# Altium PCB Ixora.PcbDoc (part 9 of 13) (continued)
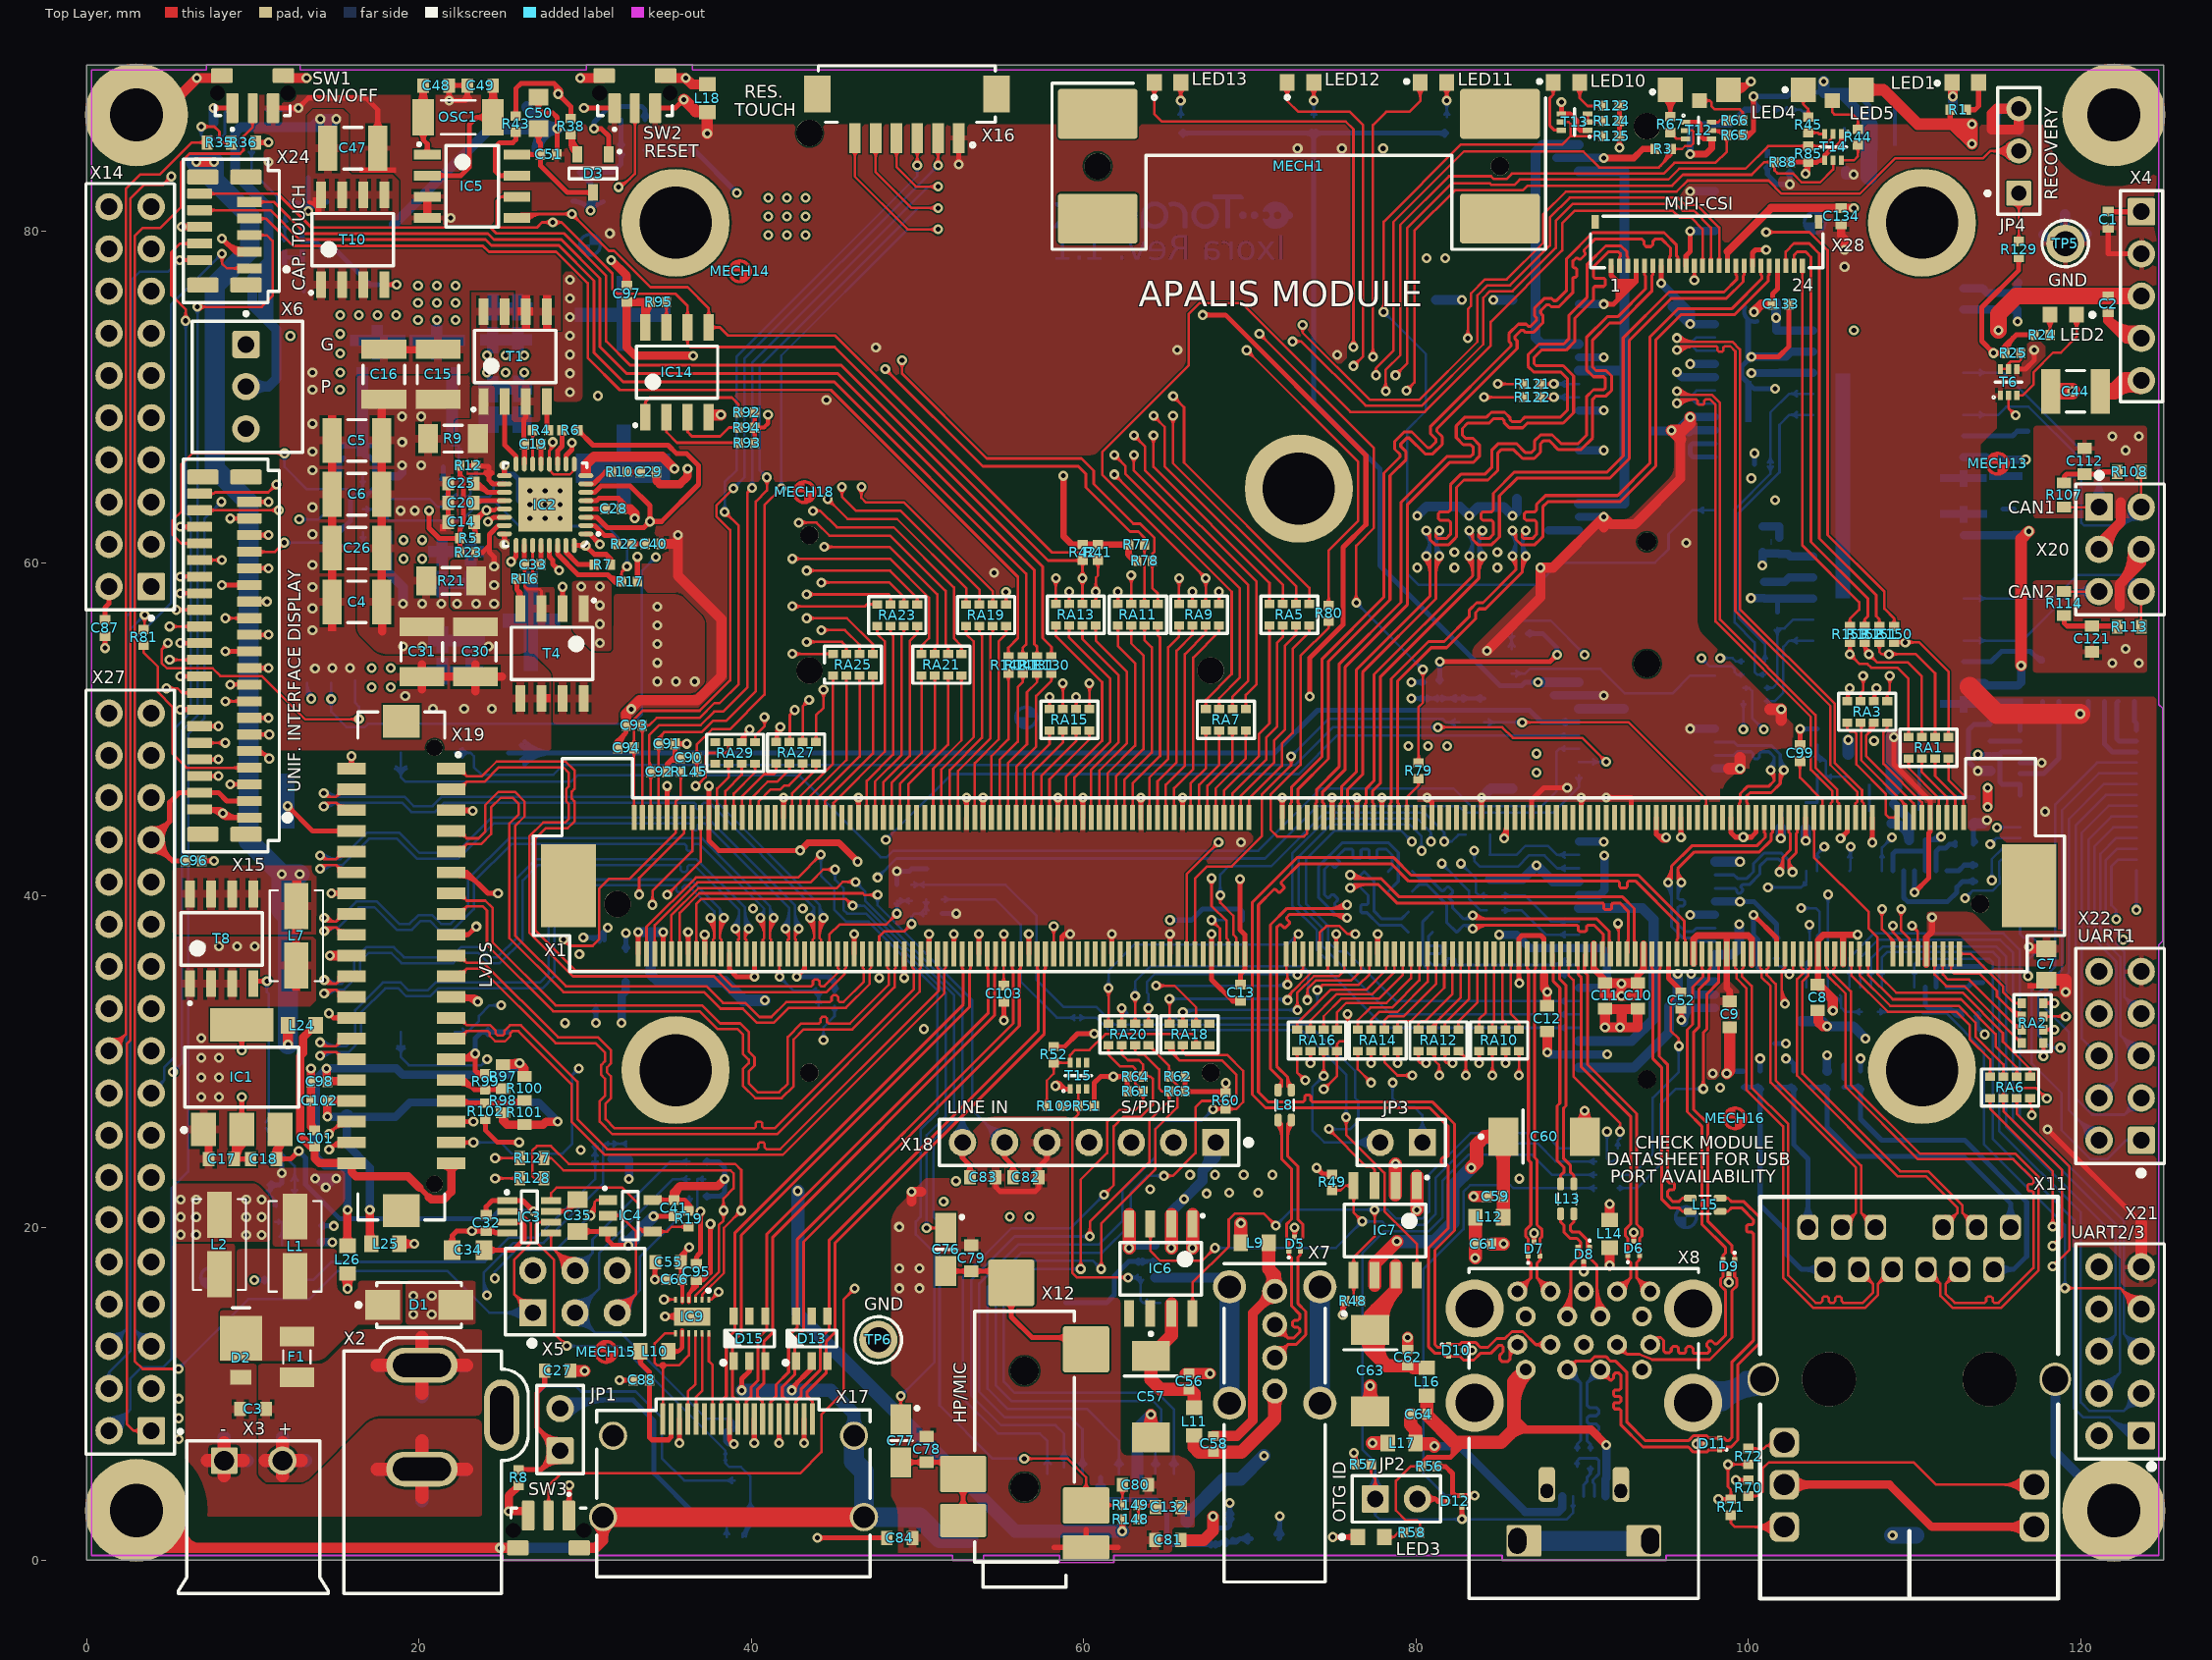
[diagram p0: Top Layer view]
## Nets (pads, with @x,y where several pads share a name; then routed paths per layer and width w, separated by ;. In a path a pad name is that pad's centre, name@x,y a point inside that pad or via, vN(x,y) a via of type N, cw(c..) or ccw(c..) an arc to the next point about the centre after c; other vN are vias at no path point) (continued)
  Bottom Layer w0.18: X25.25@98,40.45 99.19,40.45 99.302,40.338 99.302,40.225 99.377,40.15 99.521,40.15 99.65,40.279 99.65,40.4 99.55,40.5 99.55,40.565 99.65,40.665 100.058,40.665 100.685,41.292 100.685,41.78 101.105,42.2 101.827,42.2 102.08,41.947 ; v1@101.825,41.63 ccw(c101.756,41.947) 102.08,41.947 ; v1@101.864,41.454 ccw(c101.805,41.723) 102.08,41.723 ; v1(101.87,41.425) 101.955,41.425 102.08,41.55 102.08,41.947
PCIE1_SMCLK: R135.2 X25.30 | length 6.9
  Bottom Layer w0.15: R135.2@85.206,40.012 86.556,40.012 88.118,38.45 X25.30@89.8,38.45 ; R135.2@85.355,39.863 cw(c85.713,39.505) 85.713,40.012 cw(c85.713,40.519) R135.2@85.355,40.16 ; X25.30@88.941,38.291 ccw(c88.557,37.907) 88.557,38.45 ccw(c88.557,38.993) X25.30@88.941,38.609
PCIE1_SMDAT: R136.2 X25.32 | length 6.8
  Bottom Layer w0.15: R136.2@85.206,39.112 86.362,39.112 87.824,37.65 X25.32@89.8,37.65 ; R136.2@85.355,38.964 cw(c85.713,38.605) 85.713,39.112 cw(c85.713,39.619) R136.2@85.355,39.261 ; X25.32@88.941,37.491 ccw(c88.557,37.107) 88.557,37.65 ccw(c88.557,38.193) X25.32@88.941,37.809
PCIE1_TX_N: X1.47 X25.31 | length 17
  Top Layer w0.18: 95.75,41.268 ccw(c96.316,41.268) v1@95.978,40.814 ; v1(95.96,40.79) 95.75,41 95.75,41.627 ; v1@96.085,40.958 cw(c96.583,41.627) 95.75,41.627 ; X1.47@101.45,44.7 101.45,43.811 101.385,43.746 101.385,43.355 100.66,42.63 96.753,42.63 95.75,41.627
  Bottom Layer w0.18: 95.75,39.924 cw(c96.642,39.924) v1@96.09,40.625 ; 95.75,40.295 cw(c96.35,40.295) v1@95.979,40.766 ; v1(95.96,40.79) 95.75,40.58 95.75,39.855 95.845,39.76 96.073,39.76 96.168,39.665 96.168,39.475 96.073,39.38 95.845,39.38 95.75,39.285 95.75,38.285 96.2,37.835 96.662,37.835 96.877,38.05 X25.31@98,38.05
PCIE1_TX_P: X1.49 X25.33 | length 17.5
  Top Layer w0.18: v1@95.024,40.941 ccw(c94.213,41.78) 95.38,41.78 ; v1@95.149,40.812 ccw(c94.623,41.356) 95.38,41.356 ; v1(95.17,40.79) 95.38,41 95.38,41.78 ; X1.49@100.95,44.7 100.95,43.811 101.015,43.746 101.015,43.508 100.507,43 96.6,43 95.38,41.78
  Bottom Layer w0.18: v1@95.022,40.642 cw(c94.156,39.776) 95.38,39.776 ; v1@95.149,40.769 cw(c94.591,40.211) 95.38,40.211 ; v1(95.17,40.79) 95.38,40.58 95.38,38.132 96.047,37.465 96.662,37.465 96.877,37.25 X25.33@98,37.25
PCIE1_UIM_CLK: X25.12 X26.3 | length 82.8
  Bottom Layer w0.15: X26.3@18.56,47.64 cw(c18.364,47.12) 18.92,47.12 ; X26.3@18.612,47.781 cw(c18.445,47.337) 18.92,47.337 cw(c19.395,47.337) X26.3@19.228,47.781 ; X26.3@18.92,48.6 18.92,47.12 ; X26.3@19.28,47.64 ccw(c19.476,47.12) 18.92,47.12 ; X25.12@88.92,48.715 ccw(c88.65,48.513) 88.65,48.85 ; X25.12@88.92,48.985 cw(c88.65,49.187) 88.65,48.85 ; X25.12@89.8,48.85 88.65,48.85 ; 18.92,47.12 19.19,46.85 29.159,46.85 29.559,47.25 42.85,47.25 47.784,42.316 48.158,42.316 48.542,42.7 70.513,42.7 74.263,46.45 82.252,46.45 83.327,45.375 87.55,45.375 88.444,46.269 88.444,48.644 88.65,48.85
PCIE1_UIM_DATA: X25.10 X26.7 | length 91.1
  Mid-Layer 1 w0.15: v1@23.953,30.309 ccw(c23.568,30.693) 24.112,30.693 ccw(c24.655,30.693) v1@24.271,30.309 ; v1(24.112,30.15) 24.112,33.637 25.163,34.688 33.878,34.688 35.979,36.789 46.469,36.789 47.125,37.445 47.125,42.385 v1(48.1,43.36) ; v1@47.875,43.36 cw(c47.332,43.36) 47.716,42.976 cw(c48.1,42.592) v1@48.1,43.135
  Bottom Layer w0.15: X26.7@18.681,30.803 cw(c18.609,30.5) 18.92,30.5 cw(c19.231,30.5) X26.7@19.159,30.803 ; X26.7@18.716,30.949 cw(c18.654,30.691) 18.92,30.691 cw(c19.186,30.691) X26.7@19.124,30.949 ; X26.7@18.92,31.8 18.92,30.28 19.4,29.8 23.762,29.8 ; v1@23.887,30.135 cw(c23.456,30.105) 23.762,29.8 ; v1@24.096,29.926 ccw(c24.067,29.495) 23.762,29.8 ; v1(24.112,30.15) 23.762,29.8 ; v1(48.1,43.36) 52.06,47.32 72.944,47.32 75.274,49.65 X25.10@89.8,49.65 ; v1@48.1,43.585 ccw(c48.1,44.128) 48.484,43.744 ccw(c48.868,43.36) v1@48.325,43.36 ; X25.10@88.909,49.532 ccw(c88.696,49.4) 88.696,49.65 ccw(c88.696,49.9) X25.10@88.909,49.768
PCIE1_UIM_PWR: X25.8 X26.1 | length 72.4
  Bottom Layer w0.3: X26.1@25.4,48.6 35.877,48.6 35.887,48.59 71.501,48.59 74.079,51.168 86.826,51.168 87.544,50.45 X25.8@89.8,50.45 ; X26.1@26.16,48.14 cw(c27.269,47.031) 27.269,48.6 cw(c27.269,50.169) X26.1@26.16,49.06 ; X26.1@26.372,47.928 cw(c27.993,46.307) 27.993,48.6 cw(c27.994,50.894) X26.1@26.372,49.272 ; X25.8@88.994,50.344 ccw(c88.738,50.088) 88.738,50.45 ccw(c88.738,50.812) X25.8@88.994,50.556
PCIE1_UIM_RESET: X25.14 X26.2 | length 80.3
  Top Layer w0.15: v1(81.326,50.135) 85.196,50.135 85.831,49.5 90.005,49.5 v1(91.455,48.05) ; v1@81.485,49.976 cw(c81.869,49.592) 81.869,50.135 cw(c81.869,50.678) v1@81.485,50.294 ; v1@91.23,48.05 ccw(c90.687,48.05) 91.071,48.434 ccw(c91.455,48.818) v1@91.455,48.275
  Bottom Layer w0.15: X26.2@22.16,48.6 23.113,48.6 ; X26.2@22.477,48.4 cw(c22.841,48.17) 22.841,48.6 cw(c22.841,49.03) X26.2@22.477,48.8 ; X26.2@22.604,48.319 cw(c23.113,47.998) 23.113,48.6 ; X26.2@22.604,48.881 ccw(c23.113,49.202) 23.113,48.6 ; v1@81.167,49.976 ccw(c80.783,49.592) 80.783,50.135 ccw(c80.783,50.678) v1@81.167,50.294 ; v1(81.326,50.135) 75.002,50.135 72.746,47.879 28.702,47.879 28.103,47.28 23.763,47.28 23.313,47.73 23.313,48.4 23.113,48.6 ; X25.14@89.8,48.05 v1(91.455,48.05) ; X25.14@90.659,47.891 cw(c91.043,47.507) 91.043,48.05 cw(c91.043,48.593) X25.14@90.659,48.209 ; v1@91.296,47.891 ccw(c90.912,47.507) 90.912,48.05 ccw(c90.912,48.593) v1@91.296,48.209
PCIE1_UIM_VPP: X25.16 X26.6 | length 83
  Mid-Layer 1 w0.15: v1(24.95,33.404) 25.836,34.29 34.823,34.29 36.373,35.839 46.863,35.839 48.075,37.051 48.075,40.625 v1(47.6,41.1) ; v1@24.95,33.629 ccw(c24.95,34.173) 25.334,33.788 ccw(c25.718,33.404) v1@25.175,33.404 ; v1@47.6,40.875 cw(c47.6,40.332) 47.984,40.716 cw(c48.368,41.1) v1@47.825,41.1
  Bottom Layer w0.15: X26.6@22.16,31.8 22.951,31.8 23.617,32.466 23.617,32.765 24.257,33.404 v1(24.95,33.404) ; X26.6@22.644,31.596 cw(c22.951,31.467) 22.951,31.8 cw(c22.951,32.133) X26.6@22.644,32.004 ; v1@24.791,33.245 ccw(c24.407,32.861) 24.407,33.404 ccw(c24.407,33.948) v1@24.791,33.563 ; v1(47.6,41.1) 48.74,42.24 70.917,42.24 74.052,45.375 82.59,45.375 82.955,45.01 88.281,45.01 ; v1@47.6,41.325 ccw(c47.6,41.868) 47.984,41.484 ccw(c48.368,41.1) v1@47.825,41.1 ; 88.281,45.009 89.8,46.528 X25.16@89.8,47.25 ; X25.16@89.641,47.091 cw(c89.257,46.707) 89.8,46.707 cw(c90.343,46.707) X25.16@89.959,47.091
PCIE1_WAKE#: R137.2 X25.1 | length 14.4
  Bottom Layer w0.15: R137.2@85.75,53.375 86.573,53.375 86.843,53.645 91.095,53.645 92.568,52.172 95.428,52.172 96.506,53.25 X25.1@98,53.25 ; R137.2@86.027,53.198 cw(c86.454,52.771) 86.454,53.375 cw(c86.454,53.979) R137.2@86.027,53.552
PCIE1_WDISABLE#: R53.1 R134.1 X25.20 | length 7.9
  Bottom Layer w0.15: R134.1@84.44,42.45 R134.1@84.45,42.45 ; R53.1@84.45,43.665 R134.1@84.45,42.45 ; X25.20@88.941,42.291 ccw(c88.557,41.907) 88.557,42.45 ccw(c88.557,42.993) X25.20@88.941,42.609 ; X25.20@89.8,42.45 88.49,42.45 87.937,43.002 86.589,43.002 86.036,42.45 R134.1@84.45,42.45
PCIE1_WDISABLE#_R: R53.2 X1.176 | length 26
  Top Layer w0.15: v1@68.087,39.852 cw(c67.872,39.573) 68.224,39.573 ; v1(68.224,40.03) 68.224,39.573 ; v1@68.362,39.852 ccw(c68.576,39.573) 68.224,39.573 ; X1.176@69.147,37.153 ccw(c69.019,37.281) 69.2,37.281 ccw(c69.381,37.281) X1.176@69.253,37.153 ; X1.176@69.2,36.5 69.2,37.461 69.012,37.649 69.012,38.786 68.224,39.573
  Bottom Layer w0.15: v1@68.065,40.189 ccw(c67.681,40.574) 68.224,40.574 ccw(c68.768,40.574) v1@68.383,40.189 ; v1(68.224,40.03) 68.224,41.275 68.732,41.783 71.29,41.783 74.518,45.01 80.491,45.01 81.7,43.802 ; v1@81.541,43.418 ccw(c81.157,43.802) 81.7,43.802 ; v1@81.859,43.418 cw(c82.242,43.802) 81.7,43.802 ; v1@81.881,43.125 cw(c82.146,42.929) 82.146,43.259 ; v1@81.881,43.392 ccw(c82.146,43.589) 82.146,43.259 ; R53.2@82.993,43.665 82.552,43.665 82.146,43.259 ; 81.7,43.802 v1(81.7,43.259) 82.146,43.259
PCIE1_WLAN#: LED11.1 X25.44 | length 91.7
  Top Layer w0.15: v1@77.253,72.587 ccw(c76.869,72.972) 77.412,72.972 ccw(c77.955,72.972) v1@77.571,72.587 ; v1(77.412,72.428) 77.412,86.378 78.207,87.173 79.604,87.173 80.255,87.824 LED11.1@80.255,88.95 ; LED11.1@79.99,88.635 cw(c79.35,87.995) 80.255,87.995 cw(c81.16,87.995) LED11.1@80.52,88.635 ; LED11.1@80.096,88.741 cw(c79.712,88.357) 80.255,88.357 cw(c80.798,88.357) LED11.1@80.414,88.741
  Mid-Layer 1 w0.15: v1@77.571,72.269 cw(c77.955,71.885) 77.955,72.428 cw(c77.955,72.972) v1@77.571,72.587 ; v1@77.666,72.428 79.489,72.428 80.874,71.044 80.874,69.113 78.08,66.319 78.08,47.976 79.426,46.63 79.426,45.009 80.333,44.101 v1(80.333,42.7) ; v1@80.174,42.859 ccw(c79.79,43.243) 80.333,43.243 ccw(c80.877,43.243) v1@80.492,42.859
  Bottom Layer w0.15: 78.468,32.86 74.371,36.957 74.371,38.049 72.952,39.469 72.952,42.361 74.872,44.281 79.625,44.281 80.333,43.573 v1(80.333,42.7) ; 78.478,32.85 X25.44@89.8,32.85 ; v1@80.174,42.859 ccw(c79.79,43.243) 80.333,43.243 ccw(c80.877,43.243) v1@80.492,42.859 ; X25.44@88.941,32.691 ccw(c88.557,32.307) 88.557,32.85 ccw(c88.557,33.393) X25.44@88.941,33.009
PCIE1_WPAN#: LED13.1 X25.46 | length 104.6
  Top Layer w0.15: LED13.1@63.99,88.635 cw(c63.35,87.995) 64.255,87.995 cw(c65.16,87.995) LED13.1@64.52,88.635 ; LED13.1@64.096,88.741 cw(c63.712,88.357) 64.255,88.357 cw(c64.798,88.357) LED13.1@64.414,88.741 ; LED13.1@64.255,88.95 64.255,87.053 64.722,86.585 75.779,86.585 76.237,86.127 v1(76.237,73.025) ; v1@76.078,73.184 ccw(c75.694,73.568) 76.237,73.568 ccw(c76.78,73.568) v1@76.396,73.184
  Mid-Layer 1 w0.15: v1@76.396,72.866 cw(c76.78,72.482) 76.78,73.025 cw(c76.78,73.568) v1@76.396,73.184 ; v1@76.491,73.025 79.908,73.025 81.559,71.374 81.559,68.656 78.554,65.651 78.554,48.7 80.01,47.244 80.01,45.618 80.899,44.729 v1(80.899,43.259) ; v1@80.74,43.418 ccw(c80.356,43.802) 80.899,43.802 ccw(c81.442,43.802) v1@81.058,43.418
  Bottom Layer w0.15: v1@80.74,43.418 ccw(c80.356,43.802) 80.899,43.802 ccw(c81.442,43.802) v1@81.058,43.418 ; v1(80.899,43.259) 80.899,43.815 80.068,44.646 74.669,44.646 72.55,42.527 72.55,39.413 74.041,37.922 74.041,36.719 74.695,36.065 74.695,35.502 78.147,32.05 X25.46@89.8,32.05 ; X25.46@88.941,31.891 ccw(c88.557,31.507) 88.557,32.05 ccw(c88.557,32.593) X25.46@88.941,32.209
PCIE1_WWAN#: LED12.1 X25.42 | length 90.7
  Top Layer w0.15: LED12.1@71.99,88.635 cw(c71.35,87.995) 72.255,87.995 cw(c73.16,87.995) LED12.1@72.52,88.635 ; LED12.1@72.096,88.741 cw(c71.712,88.357) 72.255,88.357 cw(c72.798,88.357) LED12.1@72.414,88.741 ; LED12.1@72.255,88.95 72.255,87.833 72.915,87.173 76.022,87.173 76.824,86.371 76.824,72.468 v1(76.237,71.88) ; v1@76.237,72.105 ccw(c76.237,72.648) 76.621,72.264 ccw(c77.005,71.88) v1@76.462,71.88
  Mid-Layer 1 w0.15: v1@76.396,71.721 cw(c76.78,71.337) 76.78,71.88 cw(c76.78,72.423) v1@76.396,72.039 ; v1@76.491,71.88 79.098,71.88 80.213,70.764 80.213,69.571 77.605,66.963 77.605,47.337 78.873,46.069 78.873,44.139 v1(79.754,43.259) ; v1@79.529,43.259 ccw(c78.986,43.259) 79.37,43.643 ccw(c79.754,44.027) v1@79.754,43.484
  Bottom Layer w0.15: v1@79.529,43.259 ccw(c78.986,43.259) 79.37,43.643 ccw(c79.754,44.027) v1@79.754,43.484 ; v1(79.754,43.259) 79.096,43.917 75.114,43.917 73.381,42.183 73.381,39.522 74.701,38.202 74.701,37.233 75.283,36.652 75.807,36.652 78.81,33.65 X25.42@89.8,33.65 ; X25.42@88.941,33.491 ccw(c88.557,33.107) 88.557,33.65 ccw(c88.557,34.193) X25.42@88.941,33.809
PMIC_EN: C27.2 IC2.9 IC2.12 JP1.1 R8.2 R14.1 T2.3 | length 191.5
  Top Layer w0.15: v1@4.675,55.196 cw(c4.163,55.187) 4.525,54.825 ; v1@4.896,54.975 ccw(c4.887,54.463) 4.525,54.825 ; v1(4.9,55.2) 4.525,54.825 ; v1@16.241,50.466 ccw(c15.857,50.082) 15.857,50.625 ccw(c15.857,51.168) v1@16.241,50.784 ; v1(16.4,50.625) 13.151,50.625 10.551,53.225 8.051,53.225 7.601,53.675 4.853,53.675 4.525,54.003 4.525,54.825 ; v1@27.873,67.161 cw(c27.637,66.974) 27.85,66.762 ; v1@27.963,67.093 cw(c27.908,66.961) 28.05,66.961 ; 27.969,66.881 ccw(c27.771,67.079) v1@27.991,67.254 ; v1(28.05,67.3) 28.05,66.961 ; 28.089,67 ccw(c27.904,67.185) v1@28.109,67.346 ; v1@28.137,67.093 ccw(c28.192,66.961) 28.05,66.961 ; IC2.9@29.35,65.975 29.35,65.625 29.075,65.35 28.125,65.35 27.85,65.625 IC2.12@27.85,65.975 27.85,66.762 ; 27.85,66.762 28.05,66.961
  Top Layer w0.3: R8.2@26.01,5.458 27.358,5.458 ; R8.2@26.206,5.363 cw(c26.437,5.132) 26.437,5.458 cw(c26.437,5.784) R8.2@26.206,5.554 ; C27.2@27.43,11.188 cw(c27.089,10.847) 27.571,10.847 cw(c28.054,10.847) C27.2@27.713,11.188 ; C27.2@27.571,11.405 27.571,10.553 27.102,10.084 27.102,7.998 JP1.1@28.5,6.6 27.358,5.458 ; JP1.1@27.825,6.595 cw(c26.232,6.585) 27.358,5.458 ; JP1.1@27.825,6.6 ccw(c26.195,6.6) 27.348,7.752 ccw(c28.5,8.905) JP1.1@28.5,7.275 ; JP1.1@28.125,6.597 cw(c27.24,6.592) 27.866,5.966 cw(c28.492,5.34) JP1.1@28.498,6.225 ; JP1.1@28.125,6.6 ccw(c27.22,6.6) 27.86,7.24 ccw(c28.5,7.88) JP1.1@28.5,6.975 ; JP1.1@28.496,5.925 ccw(c28.485,4.332) 27.358,5.458
  Mid-Layer 2 w0.15: 5.189,54.682 cw(c5.707,55.2) 4.975,55.2 cw(c5.707,55.2) 5.189,55.718 ; 5.446,54.426 cw(c6.219,55.2) 5.125,55.2 cw(c6.219,55.2) 5.446,55.974 ; JP1.1@27.75,6.6 ccw(c25.939,6.6) 27.22,7.88 ccw(c28.5,9.161) JP1.1@28.5,7.35 ; v1@27.825,67.3 cw(c27.282,67.3) 27.666,66.916 cw(c28.05,66.532) v1@28.05,67.075 ; JP1.1@27.9,6.6 ccw(c26.451,6.6) 27.476,7.624 ccw(c28.5,8.649) JP1.1@28.5,7.2 ; JP1.1@28.05,6.6 ccw(c26.964,6.6) 27.732,7.368 ccw(c28.5,8.136) JP1.1@28.5,7.05 ; v1(28.05,67.3) 27.55,66.8 18.399,66.8 16.449,68.75 15.05,68.75 14.317,69.483 14.317,72.353 12.4,74.27 8.02,74.27 6.401,72.651 6.401,56.929 4.9,55.428 v1(4.9,55.2) 4.9,54.972 6.426,53.446 6.426,47.244 5.758,46.576 5.758,26.653 8.611,23.8 8.611,19.583 10.135,18.059 21.082,18.059 24.257,14.884 24.257,12.751 27,10.008 27,8.1 JP1.1@28.5,6.6
  Bottom Layer w0.15: R14.1@16.175,52.95 16.175,51.605 16.4,51.38 v1(16.4,50.625) ; v1@16.241,50.784 ccw(c15.857,51.168) 16.4,51.168 ccw(c16.943,51.168) v1@16.559,50.784 ; JP1.1@27.75,6.6 ccw(c25.939,6.6) 27.22,7.88 ccw(c28.5,9.161) JP1.1@28.5,7.35 ; JP1.1@27.9,6.6 ccw(c26.451,6.6) 27.476,7.624 ccw(c28.5,8.649) JP1.1@28.5,7.2 ; JP1.1@28.05,6.6 ccw(c26.964,6.6) 27.732,7.368 ccw(c28.5,8.136) JP1.1@28.5,7.05 ; JP1.1@28.5,6.6 27.102,7.998 27.102,9.982 27.584,10.465 29.464,10.465 29.769,10.16 33.045,10.16 34.62,8.585 34.62,6.156 35.973,4.803 T2.3@39,4.803 ; T2.3@38.841,4.643 ccw(c38.457,4.259) 38.457,4.803 ccw(c38.457,5.346) T2.3@38.841,4.962
PMIC_EN_5V: IC2.29 R14.2 R15.2 | length 44.1
  Top Layer w0.3: IC2.29@27.85,61.075 27.85,60.4 28.05,60.2 28.05,59.966 v1(28.445,59.571) ; v1@28.295,59.571 ccw(c27.933,59.571) 28.189,59.827 ccw(c28.445,60.083) v1@28.445,59.721
  Mid-Layer 1 w0.15: v1(28.445,59.571) 29.161,60.287 32.169,60.287 32.752,60.87 33.766,60.87 v1(34.255,60.381) ; v1@28.445,59.796 ccw(c28.445,60.339) 28.829,59.955 ccw(c29.213,59.571) v1@28.67,59.571 ; v1@34.03,60.381 ccw(c33.487,60.381) 33.871,60.765 ccw(c34.255,61.149) v1@34.255,60.606
  Bottom Layer w0.15: v1@14.566,51.691 cw(c14.182,51.307) 14.725,51.307 cw(c15.268,51.307) v1@14.884,51.691 ; v1@14.566,52.009 ccw(c14.182,52.393) 14.725,52.393 ccw(c15.268,52.393) v1@14.884,52.009 ; R15.2@14.725,52.8 v1(14.725,51.85) 14.725,51.061 15.643,50.143 16.742,50.143 16.942,50.343 32.842,50.343 33.426,50.927 33.426,59.552 v1(34.255,60.381) ; v1@34.03,60.381 cw(c33.487,60.381) 33.871,59.997 cw(c34.255,59.612) v1@34.255,60.156
POWER_ENABLE_MOCI: R15.1 R29.1 R32.1 R147.2 RA6.6 X27.2 | length 314.4
  Top Layer w0.15: RA6.6@116.028,27.677 cw(c115.729,27.378) 116.152,27.378 cw(c116.574,27.378) RA6.6@116.275,27.677 ; RA6.6@116.152,27.801 116.152,26.876 119.329,23.699 119.329,18.71 v1(118.313,17.695) ; v1@118.313,17.92 ccw(c118.313,18.463) 118.697,18.079 ccw(c119.081,17.695) v1@118.538,17.695
  Mid-Layer 2 w0.15: v1@12.641,62.491 cw(c12.257,62.107) 12.8,62.107 cw(c13.343,62.107) v1@12.959,62.491 ; v1(12.8,62.65) 12.8,52.581 v1(13.525,51.856) ; v1@13.3,51.856 ccw(c12.757,51.856) 13.141,52.24 ccw(c13.525,52.624) v1@13.525,52.081
  Mid-Layer 1 w0.15: X27.2@1.36,7.05 cw(c1.36,5.239) 2.64,6.52 cw(c3.921,7.8) X27.2@2.11,7.8 ; X27.2@1.36,7.2 cw(c1.36,5.751) 2.384,6.776 cw(c3.409,7.8) X27.2@1.96,7.8 ; X27.2@1.36,7.35 cw(c1.36,6.264) 2.128,7.032 cw(c2.896,7.8) X27.2@1.81,7.8 ; X27.2@1.36,7.8 2.785,6.375 6.248,6.375 6.477,6.604 6.477,8.026 13.462,15.011 16.842,15.011 18.366,16.535 23.52,16.535 v1(24.105,15.951) 24.536,15.519 24.536,13.493 26.271,11.758 29.462,11.758 30.046,12.343 34.618,12.343 37.311,15.035 62.706,15.035 64.211,16.541 64.211,18.669 64.872,19.329 68.128,19.329 69.042,18.415 76.81,18.415 78.257,19.863 86.106,19.863 88.265,22.022 116.185,22.022 117.373,20.833 117.373,18.634 v1(118.313,17.695) ; v1(8.114,63.703) 9.991,63.703 11.044,62.65 v1(12.8,62.65) ; v1@8.273,63.544 cw(c8.657,63.16) 8.657,63.703 cw(c8.657,64.246) v1@8.273,63.862 ; v1@12.641,62.491 ccw(c12.257,62.107) 12.257,62.65 ccw(c12.257,63.193) v1@12.641,62.809 ; v1@23.88,15.951 ccw(c23.336,15.951) 23.72,16.335 ccw(c24.105,16.719) v1@24.105,16.176 ; v1@24.105,15.726 cw(c24.105,15.183) 24.489,15.567 cw(c24.873,15.951) v1@24.33,15.951 ; v1@118.088,17.695 ccw(c117.545,17.695) 117.929,18.079 ccw(c118.313,18.463) v1@118.313,17.92
  Bottom Layer w0.15: v1@7.889,63.703 cw(c7.345,63.703) 7.729,63.319 cw(c8.114,62.935) v1@8.114,63.478 ; v1(8.114,63.703) 7.112,62.702 7.112,50.698 6.121,49.708 6.121,23.393 5.131,22.403 5.131,12.127 4.612,11.608 3.308,11.608 2.65,10.95 2.65,9.09 X27.2@1.36,7.8 ; v1(12.8,62.65) 13.958,62.65 14.554,63.246 R29.1@15.201,63.246 ; v1@12.959,62.491 cw(c13.343,62.107) 13.343,62.65 cw(c13.343,63.193) v1@12.959,62.809 ; 13.275,52.204 ccw(c13.783,52.204) v1@13.48,51.796 ; R15.1@13.275,52.502 ccw(c14.004,52.502) v1@13.57,51.916 ; v1(13.525,51.856) 13.275,52.106 R15.1@13.275,52.8 ccw(c14.225,52.8) v1@13.659,52.037 ; R29.1@15.024,63.069 ccw(c14.597,62.642) 14.597,63.246 ccw(c14.597,63.85) R29.1@15.024,63.423 ; 23.901,16.261 ccw(c24.414,16.261) v1@24.052,15.898 ; 23.901,16.623 ccw(c24.776,16.623) v1@24.158,16.004 ; 23.901,16.985 ccw(c25.138,16.985) v1@24.264,16.11 ; v1(24.105,15.951) 23.901,16.154 23.901,17.297 25.705,19.101 27.501,19.101 31.087,22.687 31.087,24.95 31.212,25.075 ; R32.1@31.388,24.972 ccw(c31.212,24.873) 31.212,25.075 ; R32.1@31.388,25.178 cw(c31.212,25.277) 31.212,25.075 ; R32.1@31.72,24.926 cw(c32.078,24.568) 32.078,25.075 cw(c32.078,25.582) R32.1@31.72,25.223 ; R147.2@32.466,25.075 R32.1@31.571,25.075 31.212,25.075 ; R147.2@32.471,24.926 ccw(c32.112,24.568) 32.112,25.075 ccw(c32.112,25.582) R147.2@32.471,25.223 ; X27.2@0.919,7.89 cw(c1.847,7.7) 1.602,8.615 ; X27.2@0.919,7.89 cw(c1.847,7.7) 1.602,8.615 ; X27.2@0.919,7.89 cw(c1.847,7.7) 1.602,8.615 ; X27.2@1.066,7.86 cw(c2.112,7.646) 1.836,8.678 ; X27.2@1.066,7.86 cw(c2.112,7.646) 1.836,8.678 ; X27.2@1.066,7.86 cw(c2.112,7.646) 1.836,8.678 ; X27.2@1.213,7.83 cw(c2.378,7.591) 2.07,8.74 ; X27.2@1.213,7.83 cw(c2.378,7.591) 2.07,8.74 ; X27.2@1.213,7.83 cw(c2.378,7.591) 2.07,8.74 ; X27.2@1.36,7.8 ccw(c1.097,9.084) 2.363,8.745 ; X27.2@1.36,7.8 cw(c2.644,7.537) 2.305,8.803 ; X27.2@1.36,7.8 ccw(c1.097,9.084) 2.363,8.745 ; X27.2@1.36,7.8 cw(c2.644,7.537) 2.305,8.803 ; X27.2@1.36,7.8 ccw(c1.097,9.084) 2.363,8.745 ; X27.2@1.36,7.8 cw(c2.644,7.537) 2.305,8.803 ; X27.2@1.36,8.25 ccw(c1.36,9.336) 2.128,8.568 ; X27.2@1.36,8.25 ccw(c1.36,9.336) 2.128,8.568 ; X27.2@1.36,8.25 ccw(c1.36,9.336) 2.128,8.568 ; X27.2@1.36,8.4 ccw(c1.36,9.849) 2.384,8.824 ; X27.2@1.36,8.4 ccw(c1.36,9.849) 2.384,8.824 ; X27.2@1.36,8.4 ccw(c1.36,9.849) 2.384,8.824 ; X27.2@1.36,8.55 ccw(c1.36,10.361) 2.64,9.08 ; X27.2@1.36,8.55 ccw(c1.36,10.361) 2.64,9.08 ; X27.2@1.36,8.55 ccw(c1.36,10.361) 2.64,9.08 ; X27.2@1.39,7.653 ccw(c1.151,8.818) 2.3,8.51 ; X27.2@1.39,7.653 ccw(c1.151,8.818) 2.3,8.51 ; X27.2@1.39,7.653 ccw(c1.151,8.818) 2.3,8.51 ; X27.2@1.42,7.506 ccw(c1.206,8.552) 2.238,8.276 ; X27.2@1.42,7.506 ccw(c1.206,8.552) 2.238,8.276 ; X27.2@1.42,7.506 ccw(c1.206,8.552) 2.238,8.276 ; X27.2@1.45,7.359 ccw(c1.26,8.286) 2.175,8.041 ; X27.2@1.45,7.359 ccw(c1.26,8.286) 2.175,8.041 ; X27.2@1.45,7.359 ccw(c1.26,8.286) 2.175,8.041 ; X27.2@1.81,7.8 cw(c2.896,7.8) 2.128,8.568 ; X27.2@1.81,7.8 cw(c2.896,7.8) 2.128,8.568 ; X27.2@1.81,7.8 cw(c2.896,7.8) 2.128,8.568 ; X27.2@1.96,7.8 cw(c3.409,7.8) 2.384,8.824 ; X27.2@1.96,7.8 cw(c3.409,7.8) 2.384,8.824 ; X27.2@1.96,7.8 cw(c3.409,7.8) 2.384,8.824 ; X27.2@2.11,7.8 cw(c3.921,7.8) 2.64,9.08 ; X27.2@2.11,7.8 cw(c3.921,7.8) 2.64,9.08 ; X27.2@2.11,7.8 cw(c3.921,7.8) 2.64,9.08
PWM1: RA2.4 X27.33 | length 148.3
  Top Layer w0.15: RA2.4@117.757,33.533 v1(118.412,33.533) ; RA2.4@117.881,33.409 cw(c118.18,33.111) 118.18,33.533 cw(c118.18,33.956) RA2.4@117.881,33.657 ; v1@118.252,33.374 ccw(c117.868,32.99) 117.868,33.533 ccw(c117.868,34.076) v1@118.252,33.692
  Mid-Layer 1 w0.15: X27.33@3.9,47.69 cw(c3.9,45.879) 5.18,47.16 cw(c6.461,48.44) X27.33@4.65,48.44 ; X27.33@3.9,47.84 cw(c3.9,46.391) 4.924,47.416 cw(c5.949,48.44) X27.33@4.5,48.44 ; X27.33@3.9,47.99 cw(c3.9,46.904) 4.668,47.672 cw(c5.436,48.44) X27.33@4.35,48.44 ; X27.33@3.9,48.44 5.2,47.14 5.2,45.575 7.785,42.989 37.69,42.989 41.309,46.609 56.439,46.609 63.779,39.268 65.38,39.268 65.888,38.76 65.888,36.92 71.757,31.05 73.535,31.05 75.006,29.579 75.006,28.487 76.772,26.721 83.642,26.721 86.556,23.807 113.291,23.807 119.659,30.175 119.659,33.096 119.222,33.533 v1(118.412,33.533) ; v1@118.581,33.385 cw(c118.908,33.097) 118.908,33.533 cw(c118.908,33.969) v1@118.581,33.682
PWM2: RA2.3 X27.34 | length 151.6
  Top Layer w0.15: RA2.3@117.757,32.733 v1(119.107,32.733) ; RA2.3@117.881,32.609 cw(c118.18,32.311) 118.18,32.733 cw(c118.18,33.156) RA2.3@117.881,32.857 ; v1@118.948,32.574 ccw(c118.564,32.19) 118.564,32.733 ccw(c118.564,33.276) v1@118.948,32.892
  Mid-Layer 1 w0.15: X27.34@1.36,48.44 2.62,49.7 ; X27.34@1.365,48.89 ccw(c1.377,49.935) 2.116,49.196 ccw(c2.855,48.457) X27.34@1.81,48.445 ; X27.34@1.367,49.04 ccw(c1.383,50.433) 2.368,49.448 ccw(c3.353,48.463) X27.34@1.96,48.447 ; X27.34@1.369,49.19 ccw(c1.388,50.931) 2.62,49.7 ; X27.34@2.11,48.449 cw(c3.851,48.468) 2.62,49.7 ; v1@118.959,32.564 cw(c118.671,32.236) 119.107,32.236 cw(c119.543,32.236) v1@119.256,32.564 ; v1(119.107,32.733) 119.107,31.489 119.304,31.293 119.304,30.382 113.175,24.253 86.965,24.253 84.1,27.119 76.937,27.119 75.404,28.652 75.404,29.744 73.7,31.448 71.922,31.448 66.286,37.085 66.286,40.394 59.372,47.307 41.157,47.307 37.351,43.501 24.552,43.501 24.413,43.362 8.226,43.362 5.75,45.837 5.75,48.4 4.45,49.7 2.62,49.7
PWM3: RA2.2 X27.35 | length 147.7
  Top Layer w0.15: RA2.2@117.757,31.933 v1(118.412,31.933) ; RA2.2@117.881,31.809 cw(c118.18,31.511) 118.18,31.933 cw(c118.18,32.356) RA2.2@117.881,32.057 ; v1@118.252,31.774 ccw(c117.868,31.39) 117.868,31.933 ccw(c117.868,32.476) v1@118.252,32.092
  Mid-Layer 1 w0.15: X27.35@3.9,50.23 cw(c3.9,48.265) 5.29,49.654 ; X27.35@3.9,50.38 cw(c3.9,48.777) 5.033,49.911 ; X27.35@3.9,50.53 cw(c3.9,49.289) 4.777,50.167 ; X27.35@3.9,50.68 cw(c3.9,49.801) 4.521,50.423 ; X27.35@3.9,51.05 3.9,51.044 6.4,48.544 6.4,45.924 8.59,43.734 24.023,43.734 24.301,44.012 37.062,44.012 41.056,48.006 59.512,48.006 66.683,40.835 66.683,37.249 72.087,31.846 73.865,31.846 75.802,29.909 75.802,28.817 77.102,27.517 84.523,27.517 87.34,24.7 112.939,24.7 118.237,29.997 118.237,31.217 118.412,31.391 v1(118.412,31.933) ; X27.35@4.35,50.98 ccw(c5.282,50.98) 4.623,50.321 ; X27.35@4.5,50.98 ccw(c5.794,50.98) 4.879,50.065 ; X27.35@4.65,50.98 ccw(c6.306,50.98) 5.135,49.809 ; v1@118.263,31.764 cw(c117.975,31.436) 118.412,31.436 cw(c118.848,31.436) v1@118.56,31.764
PWM4: RA2.1 X27.36 | length 149.1
  Top Layer w0.15: v1@117.598,30.486 ccw(c117.214,30.87) 117.757,30.87 ccw(c118.3,30.87) v1@117.916,30.486 ; RA2.1@117.633,30.959 cw(c117.335,30.661) 117.757,30.661 cw(c118.18,30.661) RA2.1@117.881,30.959 ; RA2.1@117.635,30.958 cw(c117.445,30.761) 117.709,30.691 ; RA2.1@117.67,30.932 cw(c117.553,30.729) 117.779,30.79 ; 117.736,30.79 cw(c117.962,30.729) RA2.1@117.845,30.932 ; v1(117.757,30.326) RA2.1@117.757,31.133 ; 117.805,30.691 cw(c118.069,30.761) RA2.1@117.879,30.958
  Mid-Layer 1 w0.15: X27.36@1.36,50.98 2.513,52.133 ; X27.36@1.394,51.429 ccw(c1.459,52.265) 2.052,51.672 ccw(c2.645,51.079) X27.36@1.809,51.014 ; X27.36@1.406,51.578 ccw(c1.492,52.694) 2.283,51.903 ccw(c3.074,51.112) X27.36@1.958,51.026 ; X27.36@1.417,51.728 ccw(c1.525,53.122) 2.513,52.133 ; X27.36@2.108,51.037 cw(c3.502,51.144) 2.513,52.133 ; v1@117.533,30.312 cw(c117.097,30.284) 117.406,29.975 cw(c117.714,29.667) v1@117.743,30.102 ; v1(117.757,30.326) 112.577,25.146 87.706,25.146 84.938,27.915 77.267,27.915 76.2,28.981 76.2,30.074 74.03,32.244 72.252,32.244 67.081,37.414 67.081,41.199 59.576,48.704 40.955,48.704 36.773,44.523 24.127,44.523 23.71,44.106 9.742,44.106 6.9,46.948 6.9,51.037 6.121,51.816 4.648,51.816 4.331,52.133 2.513,52.133
PWM_BKL1: RA19.8 X15.6 X19.35 | length 114.7
  Top Layer w0.15: X15.6@6.8,47.2 v1(7.95,47.2) ; X15.6@7.409,47.041 cw(c7.793,46.657) 7.793,47.2 cw(c7.793,47.743) X15.6@7.409,47.359 ; X15.6@7.44,47.079 cw(c7.57,46.996) 7.61,47.145 cw(c7.668,47.361) X15.6@7.46,47.281 ; X15.6@7.44,47.321 ccw(c7.57,47.404) 7.61,47.255 ccw(c7.668,47.039) X15.6@7.46,47.119 ; v1@7.791,47.041 ccw(c7.407,46.657) 7.407,47.2 ccw(c7.407,47.743) v1@7.791,47.359 ; X19.35@21.95,26.4 v1(23.286,26.4) ; X19.35@22.644,26.206 cw(c23.114,25.736) 23.114,26.4 cw(c23.114,27.064) X19.35@22.644,26.594 ; X19.35@22.695,26.275 cw(c22.844,26.199) 22.888,26.361 cw(c22.964,26.646) X19.35@22.698,26.519 ; X19.35@22.695,26.525 ccw(c22.844,26.601) 22.888,26.439 ccw(c22.964,26.154) X19.35@22.698,26.281 ; v1@23.091,26.288 ccw(c22.757,26.097) 22.857,26.469 ccw(c22.923,26.718) v1@23.117,26.548 ; v1@23.091,26.512 cw(c22.757,26.703) 22.857,26.331 cw(c22.923,26.083) v1@23.117,26.252 ; v1@55.175,58.113 cw(c54.791,57.729) 55.334,57.729 cw(c55.878,57.729) v1@55.494,58.113 ; RA19.8@55.211,57.659 ccw(c54.912,57.958) 55.334,57.958 ccw(c55.757,57.958) RA19.8@55.458,57.659 ; RA19.8@55.334,57.536 v1(55.334,58.272) ; X19.35@22.743,26.4 ccw(c22.743,26.943) 23.127,26.559 cw(c22.743,26.943) X19.35@22.743,26.4 ; X19.35@22.743,26.4 cw(c22.743,25.857) 23.127,26.241 ccw(c22.743,25.857) X19.35@22.743,26.4
  Mid-Layer 2 w0.15: v1@7.791,47.041 ccw(c7.407,46.657) 7.407,47.2 ccw(c7.407,47.743) v1@7.791,47.359 ; v1(7.95,47.2) 6.916,47.2 6.024,46.308 6.024,26.961 11.395,21.59 17.999,21.59 21.047,24.638 23.573,24.638 23.825,24.89 23.825,25.861 v1(23.286,26.4) ; v1@23.286,26.175 cw(c23.286,25.632) 23.67,26.016 cw(c24.055,26.4) v1@23.511,26.4
  Mid-Layer 1 w0.15: v1@7.808,47.025 cw(c7.568,46.728) 7.95,46.728 cw(c8.332,46.728) v1@8.092,47.025 ; v1(7.95,47.2) 7.95,46.609 10.081,44.478 23.497,44.478 24.054,45.034 36.559,45.034 40.928,49.403 46.465,49.403 v1(55.334,58.272) ; v1@55.109,58.272 cw(c54.566,58.272) 54.95,57.888 cw(c55.334,57.504) v1@55.334,58.047
PWR_BTN#: IC3.2 SW1.2 X5.1 | length 131.6
  Top Layer w0.15: v1@5.376,11.361 ccw(c4.992,10.977) 4.992,11.52 ccw(c4.992,12.064) v1@5.376,11.68 ; v1(5.535,11.52) 3.38,11.52 2.9,12 2.9,79.684 3.404,80.188 4.445,80.188 5.69,81.432 5.69,84.15 6.198,84.658 9.246,84.658 9.449,84.861 9.449,85.7 10,86.251 SW1.2@10,87.4 ; SW1.2@9.841,86.641 cw(c9.457,86.257) 10,86.257 cw(c10.543,86.257) SW1.2@10.159,86.641 ; IC3.2@25.335,20.995 26.035,20.995 ; IC3.2@25.836,20.909 cw(c26.035,20.722) 26.035,20.995 ; IC3.2@25.836,21.081 ccw(c26.035,21.268) 26.035,20.995 ; 25.972,15.785 cw(c25.256,15.069) X5.1@26.263,14.963 ; 25.971,15.786 ccw(c26.685,16.5) X5.1@26.795,15.496 ; X5.1@26.114,14.979 ccw(c24.854,15.112) 25.75,16.008 ; X5.1@26.193,15.565 ccw(c26.729,16.101) X5.1@26.811,15.347 ; X5.1@26.195,15.563 cw(c25.658,15.027) X5.1@26.412,14.947 ; X5.1@26.779,15.646 cw(c26.642,16.899) 25.75,16.008 ; X5.1@26.848,14.91 25.75,16.008 ; 25.75,16.008 25.75,18.105 26.746,19.101 26.746,20.283 26.035,20.995
  Bottom Layer w0.15: v1(5.535,11.52) 9.737,15.723 13.411,15.723 15.113,17.424 21.717,17.424 24.241,14.9 X5.1@26.86,14.9 ; v1@5.535,11.745 ccw(c5.535,12.289) 5.919,11.905 ccw(c6.303,11.52) v1@5.76,11.52 ; X5.1@26.33,14.37 ccw(c25.049,13.089) 25.049,14.9 ccw(c25.049,16.711) X5.1@26.33,15.43 ; X5.1@26.436,14.476 ccw(c25.411,13.451) 25.411,14.9 ccw(c25.411,16.349) X5.1@26.436,15.324 ; X5.1@26.542,14.582 ccw(c25.774,13.814) 25.774,14.9 ccw(c25.774,15.986) X5.1@26.542,15.218